# Altium PCB ct_mainpcb.PcbDoc (part 1 of 3) (continued)
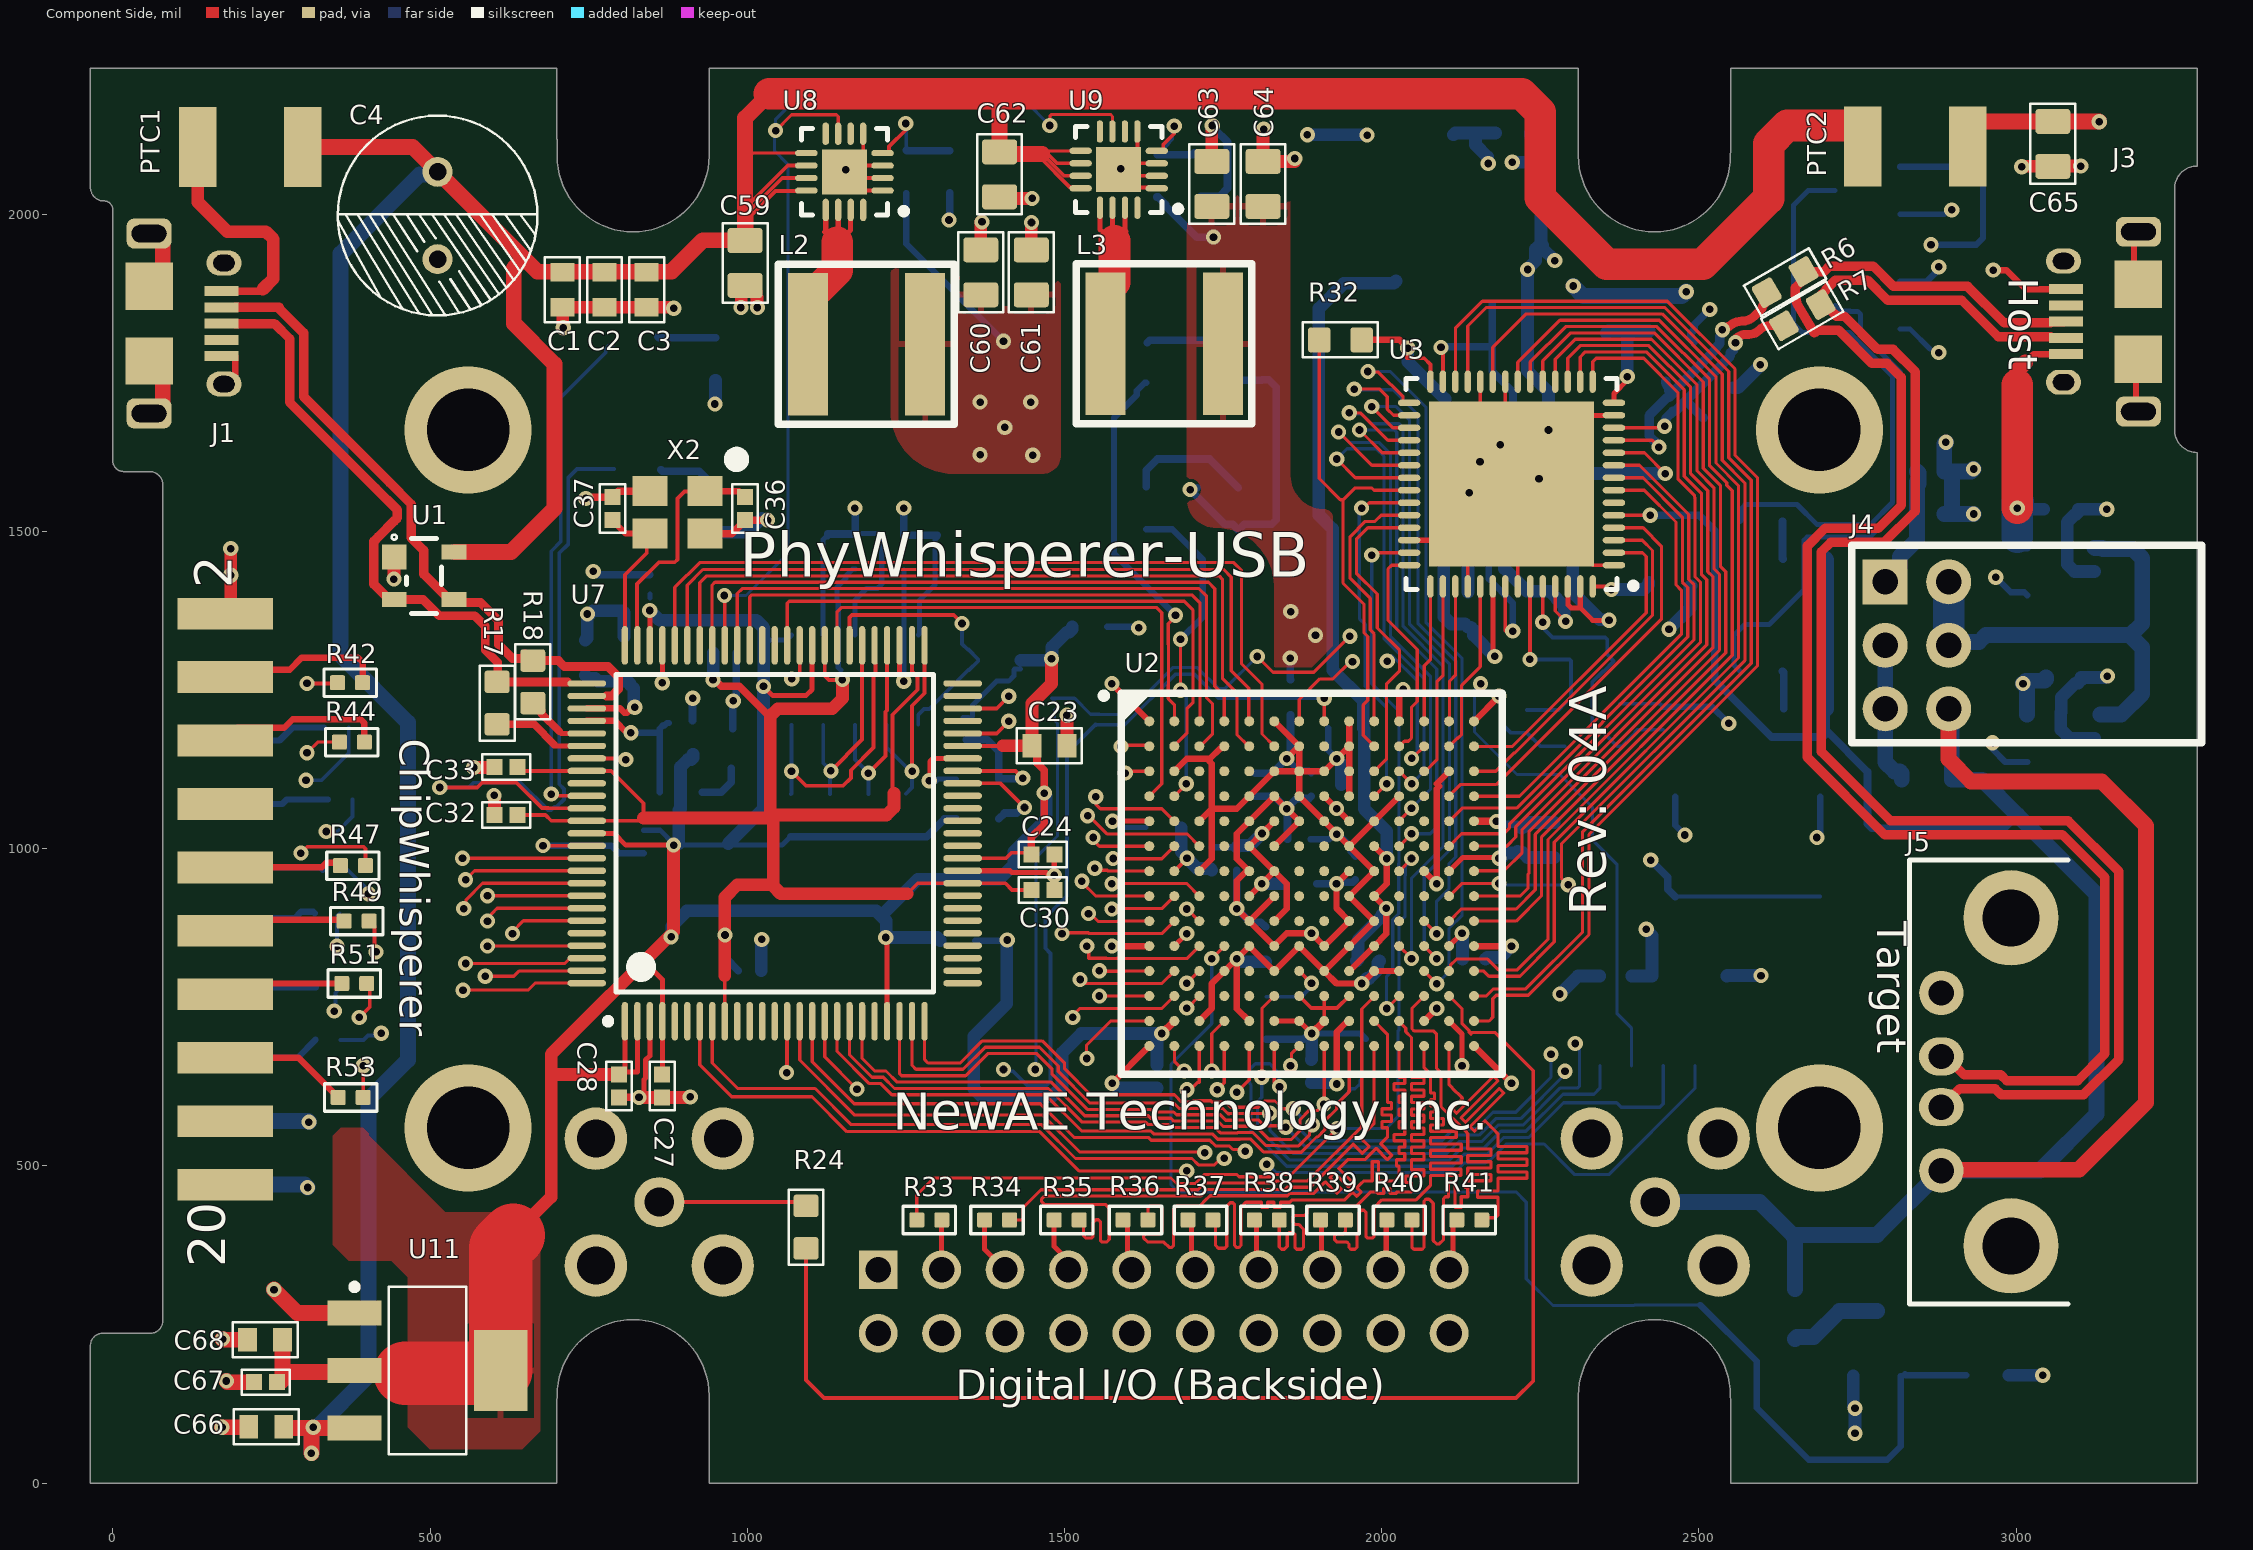
[diagram p0: Component Side view]
## Footprints (in the part's own frame and the unit in brackets; to place one, negate y for a bottom-side part, rotate by r counter-clockwise, add the part's x,y. Pads: shape width x height; smd on the part's side, far side on the other; paste and mask are expansions set on the pad) (continued)
  silkscreen extent -8.45,-7.63 7.63,7.65, body extent -7.5,-7.5 7.5,7.5, height 1.55
BOUR-MF-MSMF050-2_V [mm] "SMD, 2-Leads, Body 4.55x3.24mm"
  rect 1.5x3.2 smd: 1(-2.1,0) 2(2.1,0)
  body extent -2.28,-1.62 2.28,1.62, height 0.85
Cap_16v_680uF [mm]
  round 1.2 hole 0.7: 1(0,0) 2(3.5,0)
  silkscreen extent -2.25,-4 5.75,4, body extent -2.27,-4 5.73,4, height 16
CAPC0402_M [mm] "Chip Capacitor, 2-Leads, Body 0402, IPC Medium Density"
  rect 0.64x0.64 smd mask+0.06: 1(-0.46,0) 2(0.46,0)
  silkscreen extent -0.97,-0.51 0.97,0.51, body extent -0.55,-0.3 0.55,0.3, height 0.6
CAPC0603_M [mm]
  rect 0.75x0.95 smd: 1(-0.7,0) 2(0.7,0)
  silkscreen extent -1.3,-0.7 1.3,0.7, body extent -0.85,-0.45 0.85,0.45, height 0.9
CAPC0805_M [mm] "Chip Capacitor, Body 2.0x1.2mm, EIA 0805, IPC Medium Density"
  round 0.254 on Mech15: 0(0,0)
  rrect25% 1x1.4 smd: 1(-0.9,0) 2(0.9,0)
  Component Side pour cut-out: -0.675,0.7 0.675,0.7 0.675,-0.7 -0.675,-0.7
  silkscreen extent -1.6,-0.9 1.6,0.9, body extent -1.1,-0.72 1.1,0.73, height 1.34
CON-20HDR-EDGEMOUNT [mil]
  rect 50x150 smd: 1(-500,0) 3(-400,0) 5(-300,0) 7(-200,0) 9(-100,0) 11(0,0) 13(100,0) 15(200,0) 17(300,0) 19(400,0)
  rect 50x150 smd far side: 2(-500,0) 4(-400,0) 6(-300,0) 8(-200,0) 10(-100,0) 12(0,0) 14(100,0) 16(200,0) 18(300,0) 20(400,0)
  silkscreen extent -690,-30 590,70, body extent -690,-34 594,454, height 137
CONN_MCX_733660061 [mm] "Molex MCX"
  round 2 hole 1.17: 1(0,0)
  round 2.5 hole 1.52: 2(-2.54,2.54) 3(2.54,2.54) 4(2.54,-2.54) 5(-2.54,-2.54)
  silkscreen extent -3.25,-3.25 3.25,3.25, body extent -3,-3 3,3, height 5.53
ESWITCH_LL3301 [mm] "E_Switch LL3301 Swithc"
  rect 2.3x1.1 smd: 1(-3,2.25) 2(-3,-2.25) 3(3,-2.25) 4(3,2.25)
  silkscreen extent -4.7,-3.4 3.4,3.7, body extent -3.4,-3.15 3.4,3.15, height 4.29
EW-10-09-G-D-300 [mm] "High 20-Pin Connectors"
  rect 1.55x1.55 hole 1.02: 1(0,0)
  round 1.55 hole 1.02: 2(0,2.54) 3(2.54,0) 4(2.54,2.54) 5(5.08,0) 6(5.08,2.54) 7(7.62,0) 8(7.62,2.54) 9(10.16,0) 10(10.16,2.54) 11(12.7,0) 12(12.7,2.54) 13(15.24,0) 14(15.24,2.54) 15(17.78,0) 16(17.78,2.54) 17(20.32,0) 18(20.32,2.54) 19(22.86,0) 20(22.86,2.54)
  silkscreen extent -1.27,-1.27 24.13,3.81, body extent -1.27,-1.4 24.13,3.68, height 16
HDR_6PIN_2ROW_RA_UNSHROUDED [mm] "6-pin header, male, R/A, noshroud"
  rect 1.8x1.8 hole 1.02: 1(-1.27,2.54)
  round 1.8 hole 1.02: 2(1.27,2.54) 3(-1.27,0) 4(1.27,0) 5(-1.27,-2.54) 6(1.27,-2.54)
  silkscreen extent -2.6,-3.9 11.4,4, body extent -1.6,-3.76 11.16,3.86, height 5.56
IND_0603 [mm] "Chip Inductor, 2-Leads, Body 1.60x0.80mm, IPC Medium Density"
  rect 0.64x0.92 smd: 1(-0.73,0) 2(0.73,0)
  Component Side pour cut-out: -0.686,0.457 0.838,0.457 0.838,-0.457 -0.686,-0.457
  silkscreen extent -1.27,-0.64 1.27,0.64, body extent -0.82,-0.43 0.83,0.42, height 0.9
LED-0603-BLUE [mm]
  round 0.254 on Mech15: 0(0,0)
  rrect25% 0.8x0.8 smd: A(-0.85,0) K(0.85,0)
  Component Side pour cut-out: -0.5,0.5 0.5,0.5 0.5,-0.5 -0.5,-0.5
  silkscreen extent -1.55,-0.67 1.68,0.67, body extent -0.8,-0.4 0.8,0.4, height 0.75
LED-0603-GREEN [mm]
  round 0.254 on Mech15: 0(0,0)
  rrect25% 0.8x0.8 smd: A(-0.85,0) K(0.85,0)
  Component Side pour cut-out: -0.5,0.5 0.5,0.5 0.5,-0.5 -0.5,-0.5
  silkscreen extent -1.55,-0.67 1.68,0.67, body extent -0.8,-0.4 0.8,0.4, height 0.75
LED-0603-RED [mm]
  round 0.254 on Mech15: 0(0,0)
  rrect25% 0.8x0.8 smd: A(-0.85,0) K(0.85,0)
  Component Side pour cut-out: -0.5,0.5 0.5,0.5 0.5,-0.5 -0.5,-0.5
  silkscreen extent -1.55,-0.67 1.68,0.67, body extent -0.8,-0.4 0.8,0.4, height 0.75
LQFP100_L [mm] "Thin QFP, 100-Leads, Body 14x14mm, Pitch 0.5mm, IPC High Density"
  oval 1.55x0.25 smd: 1(-7.525,6) 2(-7.525,5.5) 3(-7.525,5) 4(-7.525,4.5) 5(-7.525,4) 6(-7.525,3.5) 7(-7.525,3) 8(-7.525,2.5) 9(-7.525,2) 10(-7.525,1.5) 11(-7.525,1) 12(-7.525,0.5) 13(-7.525,0) 14(-7.525,-0.5) 15(-7.525,-1) 16(-7.525,-1.5) 17(-7.525,-2) 18(-7.525,-2.5) 19(-7.525,-3) 20(-7.525,-3.5) 21(-7.525,-4) 22(-7.525,-4.5) 23(-7.525,-5) 24(-7.525,-5.5) 25(-7.525,-6) 51(7.525,-6) 52(7.525,-5.5) 53(7.525,-5) 54(7.525,-4.5) 55(7.525,-4) 56(7.525,-3.5) 57(7.525,-3) 58(7.525,-2.5) 59(7.525,-2) 60(7.525,-1.5) 61(7.525,-1) 62(7.525,-0.5) 63(7.525,0) 64(7.525,0.5) 65(7.525,1) 66(7.525,1.5) 67(7.525,2) 68(7.525,2.5) 69(7.525,3) 70(7.525,3.5) 71(7.525,4) 72(7.525,4.5) 73(7.525,5) 74(7.525,5.5) 75(7.525,6)
  oval 0.25x1.55 smd: 26(-6,-7.525) 27(-5.5,-7.525) 28(-5,-7.525) 29(-4.5,-7.525) 30(-4,-7.525) 31(-3.5,-7.525) 32(-3,-7.525) 33(-2.5,-7.525) 34(-2,-7.525) 35(-1.5,-7.525) 36(-1,-7.525) 37(-0.5,-7.525) 38(0,-7.525) 39(0.5,-7.525) 40(1,-7.525) 41(1.5,-7.525) 42(2,-7.525) 43(2.5,-7.525) 44(3,-7.525) 45(3.5,-7.525) 46(4,-7.525) 47(4.5,-7.525) 48(5,-7.525) 49(5.5,-7.525) 50(6,-7.525) 76(6,7.525) 77(5.5,7.525) 78(5,7.525) 79(4.5,7.525) 80(4,7.525) 81(3.5,7.525) 82(3,7.525) 83(2.5,7.525) 84(2,7.525) 85(1.5,7.525) 86(1,7.525) 87(0.5,7.525) 88(0,7.525) 89(-0.5,7.525) 90(-1,7.525) 91(-1.5,7.525) 92(-2,7.525) 93(-2.5,7.525) 94(-3,7.525) 95(-3.5,7.525) 96(-4,7.525) 97(-4.5,7.525) 98(-5,7.525) 99(-5.5,7.525) 100(-6,7.525)
  silkscreen extent -7.65,-6.35 6.35,6.8, body extent -7,-7 7,7, height 1.6
NR6028 [mm]
  rect 1.6x5.7 smd: 1(-2.35,0) 2(2.35,0)
  silkscreen extent -3.53,-3.2 3.51,3.2, body extent -3.15,-2.84 3.15,2.87, height 2.85
QFN16_50P300X300X100_HS-17M [mm] "QFN, 16-Leads, Body 3.00x3.00mm, Pitch 0.50mm, Thermal Pad 1.80x1.80mm, IPC Low Density"
  oval 0.9x0.25 smd: 1(-1.525,0.75) 2(-1.525,0.25) 3(-1.525,-0.25) 4(-1.525,-0.75) 9(1.525,-0.75) 10(1.525,-0.25) 11(1.525,0.25) 12(1.525,0.75)
  oval 0.25x0.9 smd: 5(-0.75,-1.525) 6(-0.25,-1.525) 7(0.25,-1.525) 8(0.75,-1.525) 13(0.75,1.525) 14(0.25,1.525) 15(-0.25,1.525) 16(-0.75,1.525)
  rect 1.8x1.8 smd: 17(0,0)
  silkscreen extent -2.5,-1.73 1.73,1.73, body extent -1.6,-1.6 1.6,1.6, height 1
QFN50P800X800X100_HS-57M [mm] "QFN, 56-Leads, Body 8.00x8.00mm, Pitch 0.50mm, Thermal Pad 6.60x6.60mm, IPC Low Density"
  oval 0.9x0.25 smd paste-0.025 mask+0.051: 1(-4.1,3.25) 2(-4.1,2.75) 3(-4.1,2.25) 4(-4.1,1.75) 5(-4.1,1.25) 6(-4.1,0.75) 7(-4.1,0.25) 8(-4.1,-0.25) 9(-4.1,-0.75) 10(-4.1,-1.25) 11(-4.1,-1.75) 12(-4.1,-2.25) 13(-4.1,-2.75) 14(-4.1,-3.25) 29(4.1,-3.25) 30(4.1,-2.75) 31(4.1,-2.25) 32(4.1,-1.75) 33(4.1,-1.25) 34(4.1,-0.75) 35(4.1,-0.25) 36(4.1,0.25) 37(4.1,0.75) 38(4.1,1.25) 39(4.1,1.75) 40(4.1,2.25) 41(4.1,2.75) 42(4.1,3.25)
  oval 0.25x0.9 smd paste-0.025 mask+0.051: 15(-3.25,-4.1) 16(-2.75,-4.1) 17(-2.25,-4.1) 18(-1.75,-4.1) 19(-1.25,-4.1) 20(-0.75,-4.1) 21(-0.25,-4.1) 22(0.25,-4.1) 23(0.75,-4.1) 24(1.25,-4.1) 25(1.75,-4.1) 26(2.25,-4.1) 27(2.75,-4.1) 28(3.25,-4.1) 43(3.25,4.1) 44(2.75,4.1) 45(2.25,4.1) 46(1.75,4.1) 47(1.25,4.1) 48(0.75,4.1) 49(0.25,4.1) 50(-0.25,4.1) 51(-0.75,4.1) 52(-1.25,4.1) 53(-1.75,4.1) 54(-2.25,4.1) 55(-2.75,4.1) 56(-3.25,4.1)
  rect 6.6x6.6 smd paste-100 mask+0.051: 57(0,0)
  silkscreen extent -5,-4.23 4.23,4.23, body extent -4.1,-4.1 4.1,4.1, height 1
RESC1005X40N [mm] "Chip Resistor, Body 1.0x0.5mm, EIA 0402, IPC Medium Density"
  round 0.2 on Mech15: 0(0,0)
  rrect20% 0.6x0.6 smd: 1(-0.5,0) 2(0.5,0)
  Component Side pour cut-out: -0.325,0.375 -0.2,0.5 0.2,0.5 0.325,0.375 0.325,-0.375 0.2,-0.5 -0.2,-0.5 -0.325,-0.375
  silkscreen extent -1.05,-0.55 1.05,0.55, body extent -0.52,-0.27 0.53,0.28, height 0.4
RESC1608X55N [mm] "Chip Resistor, Body 1.6x0.8mm, EIA 0603, IPC Medium Density"
  round 0.254 on Mech15: 0(0,0)
  rrect25% 0.9x1 smd: 1(-0.85,0) 2(0.85,0)
  Component Side pour cut-out: -0.6,0.5 0.6,0.5 0.6,-0.5 -0.6,-0.5
  silkscreen extent -1.5,-0.7 1.5,0.7, body extent -0.87,-0.47 0.88,0.48, height 0.54
RESC2012X70N [mm] "Chip Resistor, Body 2.0x1.2mm, EIA 0805, IPC Medium Density"
  round 0.254 on Mech15: 0(0,0)
  rrect25% 0.8x1.3 smd: 1(-1,0) 2(1,0)
  Component Side pour cut-out: -0.725,0.65 -0.525,0.85 0.525,0.85 0.725,0.65 0.725,-0.65 0.525,-0.85 -0.525,-0.85 -0.725,-0.65
  silkscreen extent -1.6,-0.85 1.6,0.85, body extent -1.1,-0.67 1.1,0.68, height 0.69
SJ_2S_NO [mil] "Solder Jumper, open (no paste)"
  rect 25x50 smd paste-393.7: 1(-16.22,0) 2(16.22,0)
  silkscreen extent -43,-39 43,39
SOT23-5P95_285X145L45X40 [mm] "Small Outline Transistor (SOT23), 0.95 mm pitch; 5 pin, 3.00 mm L X 1.60 mm W X 1.45 mm H body"
  rrect50% 0.6x1.05 smd: 1(-0.95,-1.35) 2(0,-1.35) 3(0.95,-1.35) 4(0.95,1.35) 5(-0.95,1.35)
  silkscreen extent -1.55,-0.85 1.55,0.85, body extent -1.5,-1.43 1.5,1.42, height 1.45
SOT95P245X110-3M [mm] "SOT23, 3-Leads, Body 2.90x2.45mm, Pitch 0.95mm, IPC Low Density"
  rect 1.2x0.65 smd: 1(-1.3,0.95) 2(-1.3,-0.95) 3(1.3,0)
  silkscreen extent -1.43,-1.5 0.7,1.95, body extent -1.3,-1.5 1.3,1.5, height 1.1
SOT143B [mm] "SOT143, 4-Leads, Body 2.92x2.37mm, Pitch 1.90mm, IPC Medium Density"
  rect 1x1 smd: 1(-1.2,0.75)
  rect 1x0.6 smd: 2(-1.2,-0.95) 3(1.2,-0.95) 4(1.2,0.95)
  silkscreen extent -1.3,-1.5 0.7,1.65, body extent -1.18,-1.52 1.18,1.52, height 1.2
SOT-223 [mm] "SOT223, 4-Leads, Body 6.50x7.00mm (avg), Pitch 2.30mm, IPC Medium Density"
  rect 2.15x1 smd: 1(-2.925,2.3) 2(-2.925,0) 3(-2.925,-2.3)
  rect 2.15x3.25 smd: 4(2.925,0)
  silkscreen extent -3.05,-3.35 1.55,3.47, body extent -3.5,-3.35 3.5,3.35, height 1.8
USB-A-S-F-W-TH [mil]
  round 70 hole 40: 1(-140,0) 4(140,0)
  oval 60x70 hole 40: 2(-40,0) 3(40,0)
  round 150 hole 90: S1(-258.5,-110) S2(258.5,-110)
  silkscreen extent -350,-200 350,50, body extent -310,-518 310,38, height 294
ZX62D-B-5P8(30) [mm]
  rect 0.4x1.35 smd mask+0.051: 1(-1.3,2.9) 2(-0.65,2.9) 3(0,2.9) 4(0.65,2.9) 5(1.3,2.9)
  rrect50% 1.2x1.8 hole 0.7 slot 1.4 at 90 deg: S1(-3.6,0) S1(3.6,0)
  rect 1.9x1.9 smd: S1(-1.5,0) S1(1.5,0)
  rrect100% 1x1.4 hole 0.65 slot 0.85 at 90 deg: S2(-2.425,3) S2(2.425,3)
  body extent -4.05,-2.79 4.05,3.01, height 2.75

## Part data
C1 C2 C3 C13 C14 C15 C17 C19 C20 C22 C23 C34 C35 C46 C47 C48 C51 C57 C58 C66 C68 C69 C71: library part CCHIP-2u2-0603, "2u2, 0603", Case-EIA=0603, Case-Metric=1608, Manufacture 1=Samsung, Manufacture Part Number 1=CL10B225KP8NNNC, Rated Voltage=10VDC, Supplier Part Number 1=1276-1134-2-ND, Component Group=Capacitor, Component Type=Standard, Mounting Technology=SMT, Part Number=CCHIP-2u2-0603, Pin Count=2, Supplier 1=Digi-Key
C4: library part Cap_16v_680uF, "Aluminum electrolytic 680uF, 8x16mm, radial", Component Group=Capacitor, Component Type=Standard, Mounting Technology=Through-hole, Part Number=Cap_16v_680uF, Pin Count=2, PP Material Stack=0, PP Rotation=0
C5 C6 C36 C37: library part CCHIP-18p-0402, "18p, 0402", Case-EIA=0402, Manufacture Part Number 1=GRM1555C1H180JA01D, Component Group=Capacitor, Component Type=Standard, Mounting Technology=SMT, Part Number=CCHIP-18p-0402, Pin Count=2
C7 C8 C9 C10 C11 C12 C16 C18 C39 C40: library part CCHIP-100n-0603, "100n, 0603", Case-EIA=0603, Case-Metric=1608, Manufacture 1=Kemet, Manufacture Part Number 1=C0603C104K5RACTU, Rated Voltage=50VDC, Supplier Part Number 1=399-5089-2-ND, Component Group=Capacitor, Component Type=Standard, Mounting Technology=SMT, Part Number=CCHIP-100n-0603, Pin Count=2, Supplier 1=Digi-Key
C21 C24 C25 C26 C27 C28 C29 C30 C31 C32 C33 C41 C42 C43 C44 C45 C49 C50 C52 C53 C54 C55 C56 C67 C70: library part CCHIP-100n-0402, "100n, 0402", Case-EIA=0402, Component Group=Capacitor, Component Type=Standard, Mounting Technology=SMT, Part Number=CCHIP-100n-0402, Pin Count=2
C38: library part CCHIP-10p-0603, "10p, 0603", Case-EIA=0603, Case-Metric=1608, Supplier Part Number 1=399-1049-1-ND, Component Group=Capacitor, Component Type=Standard, Mounting Technology=SMT, Part Number=CCHIP-10p-0603, Pin Count=2, Supplier 1=Digi-Key
C59 C60 C61 C62 C63 C64 C65: library part CCHIP-22u-0805-16V, "22u, 16V, 0805, Ceramic", Case-EIA=0805, Case-Metric=1608, Manufacture 1="Samsung Electro-Mechanics", Manufacture Part Number 1=CL21A226MOCLRNC, Rated Voltage=16VDC, Supplier Part Number 1=1276-6780-1-ND, Tolerance=20%, Component Group=Capacitor, Component Type=Standard, Mounting Technology=SMT, Part Number=CCHIP-22u-0805-16V, Pin Count=2, RoHS=Yes, Supplier 1=Digi-Key
D1 D2 D3: library part LEDCHIP_0603_GREEN, "Chip LED, Green", Manufacture 1=Kingbright, Manufacture Part Number 1=APT1608CGCK, Supplier Part Number 1=754-1116-1-ND, Component Group=Optical, Component Type=Standard, Mounting Technology=SMT, Part Number=LEDCHIP_0603_GREEN, Pin Count=2, PP Material Stack=16, PP Rotation=-90, Supplier 1=Digi-Key
D4: library part LEDCHIP_0603_RED, "Chip LED, Red", Manufacture 1=Kingbright, Manufacture Part Number 1=APT1608SRCPRV, Supplier Part Number 1=754-1122-1-ND, Component Group=Optical, Component Type=Standard, Mounting Technology=SMT, Part Number=LEDCHIP_0603_RED, Pin Count=2, PP Material Stack=15, PP Rotation=-90, Supplier 1=Digi-Key
D5 D6: library part LEDCHIP_0603_BLUE, "Chip LED, Blue", Manufacture 1=Kingbright, Component Group=Optical, Component Type=Standard, Mounting Technology=SMT, Part Number=LEDCHIP_0603_BLUE, Pin Count=2
J1 J3: library part ZX62D-B-5P8(30), "CONN RCPT USB MICRO B SMD", Manufacture 1="Hirose Electric Co Ltd", Supplier Part Number 1=H125272CT-ND, Component Group=Connector, Component Type=Standard, Manufacture Part Number 1=ZX62D-B-5P8(30), Mounting Technology=Through-hole, Part Number=ZX62D-B-5P8(30), Pin Count=5, PP Material Stack=0, PP Rotation=0, RoHS=Yes, Supplier 1=Digi-Key
J2: library part CON20HDR-EDGE, Supplier Part Number 1=S9172-ND, Component Group=Connector, Component Type=Standard, Part Number=CON20HDR-EDGE, Pin Count=20, PP Material Stack=0, PP Rotation=0, Supplier 1=Digi-Key
J4: library part HDR_6PIN_2ROW_RA_UNSHROUDED, "2x3 Header, R/A, Unshrouded", Manufacture 1=Samtec, Component Group=Connector, Component Type=Standard, Manufacture Part Number 1=TSW-103-08-F-D-RA, Part Number=HDR_6PIN_2ROW_RA_UNSHROUDED, Pin Count=6, PP Material Stack=0, PP Rotation=0
J5: "Female USB-A", Manufacture 1=Samtec, Component Group=Connector, Component Type=Standard, Manufacture Part Number 1=USB-A-S-F-W-TH, Part Number=USB-A-S-F-W-TH, Pin Count=6, PP Material Stack=0, PP Rotation=0
J6 J10: library part Cortex_Debug_Header_10Pin, "10 Pin Cortex Program & Debug 0.5mm pitch", Manufacture Part Number 1=20021121-00010C4LF, Supplier Part Number 1=609-3695-1-ND, Component Group=Connector, Component Type=Standard, Mounting Technology=SMT, Part Number=Cortex_Debug_Header_10Pin, Pin Count=10, PP Material Stack=0, PP Rotation=0, RoHS=Yes, Supplier 1=Digi-Key
J7: "20-Pin Header, High-Top", Manufacture Part Number 1=SBH11-PBPC-D10-ST-BK, Supplier Part Number 1=S9172-ND, Component Group=Connector, Component Type=Standard, Part Number=SBH11-PBPC-D10-ST-BK, Pin Count=20, PP Material Stack=0, PP Rotation=0, Supplier 1=Digi-key
J8 J9: library part 733660061, "MCX Straight", Manufacture Part Number 1=29K101-400L5, Supplier Part Number 1=1868-1160-ND, Component Group=Connector, Component Type=Standard, Mounting Technology=Through-hole, Part Number=733660061, Pin Count=5, PP Material Stack=0, PP Rotation=0, RoHS=Yes, Supplier 1=Digi-Key
L1: library part LCHIP-10U-0603, "FIXED IND 10UH 50MA 900 MOHM SMD", Case-EIA=0603, Case-Metric=1608, Manufacture 1="Murata Electronics North America", Manufacture Part Number 1=LQM18FN100M00D, Supplier Part Number 1=490-4025-1-ND, Tolerance=±20%, Component Group=Inductor, Component Type=Standard, Mounting Technology=SMT, Part Number=LCHIP-10U-0603, Pin Count=2, PP Material Stack=0, PP Rotation=0, Supplier 1=Digi-Key
L2 L3: library part NR6028T4R7M, "fixed ind, ferrite, shielded", Case-Metric=6060, Manufacture 1="Taiyo Yuden", Supplier Part Number 1=587-2100-1-ND, Component Group=Inductor, Component Type=Standard, Manufacture Part Number 1=NR6028T4R7M, Mounting Technology=SMT, Part Number=NR6028T4R7M, Pin Count=2, Supplier 1=Digi-Key
PTC1 PTC2: library part CMP-0280-00002-2, "MF-MSMF Series - PTC Resettable Fuse, 15 V Max, 0.15 Ohm Min, -40 to 85 degC, RoHS, Reel", Current Rating (Max)="100 A", Hold Current="0.5 A", Manufacturer=Bourns, Operating Temperature Range="-40 to 85 degC", Resistance (Min)="0.15 Ohm", Supplier Part Number 1=MF-MSMF050-2CT-ND, Trip Current="1 A", Voltage DC (Max)="15 V", ComponentLink1Description="Manufacturer URL", ComponentLink1URL=http://www.bourns.com/, ComponentLink2Description=Datasheet, ComponentLink2URL=http://www.bourns.com/data/global/pdfs/mfmsmf.pdf, ComponentLink3Description="Package Specification", ComponentLink3URL=http://www.bourns.com/data/global/pdfs/mfmsmf.pdf, DatasheetVersion="Rev. AD", Mounting Technology="Surface Mount", PackageDescription="2-Pin SMD, Body 4.55 x 3.24 mm", PackageReference=MF-MSMF050, Packing=Reel, PartNumber=MF-MSMF050, RoHS=TRUE, Supplier 1=Digi-Key
Q1 Q2 Q3: "MOSFET N-CH 30V 2.2A SOT23-3", Manufacture 1="Diodes Inc.", Rated Power=3A, Rated Voltage=30V, Supplier Part Number 1=DMN3200U-7DICT-ND, Component Group=MOSFET, Component Type=Standard, Manufacture Part Number 1=DMN3200U-7, Mounting Technology=SMT, Part Number=DMN3200U-7, Pin Count=3, PP Material Stack=0, PP Rotation=0, RoHS=Yes, Supplier 1=Digi-Key
R1: library part RCHIP-1M6-0603, "1M6 res, 0603, 1%, 1/10W", Case-EIA=0603, Case-Metric=1608, Manufacture 1=Yageo, Manufacture Part Number 1=RC0603FR-071M6L, Rated Power=0.1W, Rated Voltage=75VDC, Supplier Part Number 1=YAG3327CT-ND, Temperature Range="-55C to 155C", Tolerance=1%, Component Group=Resistor, Component Type=Standard, Mounting Technology=SMT, Part Number=RCHIP-1M6-0603, Pin Count=2, RoHS=Yes, Supplier 1=Digi-Key
R2 R3 R20 R21 R22 R23: library part RCHIP-330R-0603, "330R res, 0603, 1%, 1/10W", Case-EIA=0603, Case-Metric=1608, Manufacture 1=Yageo, Manufacture Part Number 1=RC0603FR-07330RL, Rated Power=0.1W, Rated Voltage=75VDC, Supplier Part Number 1=311-330HRCT-ND, Temperature Range="-55C to 155C", Tolerance=1%, Component Group=Resistor, Component Type=Standard, Mounting Technology=SMT, Part Number=RCHIP-330R-0603, Pin Count=2, Supplier 1=Digi-Key
R4 R8: library part RCHIP-5R1-0805, "5R1  res, 0805, 1%", Case-EIA=0805, Supplier Part Number 1=YAG3373CT-ND, Component Group=Resistor, Component Type=Standard, Part Number=RCHIP-5R1-0805, Pin Count=2, Supplier 1=Digi-Key
R5: library part RCHIP-12K-0603, "12k res, 0603, 1%, 1/10W", Case-EIA=0603, Case-Metric=1608, Manufacture 1=Yageo, Manufacture Part Number 1=RC0603FR-0712KL, Rated Power=0.1W, Rated Voltage=75VDC, Supplier Part Number 1=311-12.0KHRCT-ND, Temperature Range="-55C to 155C", Tolerance=1%, Component Group=Resistor, Component Type=Standard, Mounting Technology=SMT, Part Number=RCHIP-12K-0603, Pin Count=2, Supplier 1=Digi-Key
R6 R7 R9: library part RCHIP-1R0-0603, "1R0 res, 0603, 1%, 1/10W", Case-EIA=0603, Case-Metric=1608, Manufacture 1=Yageo, Manufacture Part Number 1=RC0603FR-071RL, Rated Power=0.1W, Rated Voltage=75VDC, Supplier Part Number 1=311-1.00HRCT-ND, Temperature Range="-55C to 155C", Tolerance=1%, Component Group=Resistor, Component Type=Standard, Mounting Technology=SMT, Part Number=RCHIP-1R0-0603, Pin Count=2, Supplier 1=Digi-Key
R10 R11 R12 R13: library part RCHIP-100K-0603, "100k res, 0603, 1%, 1/10W", Case-EIA=0603, Case-Metric=1608, Manufacture 1=Yageo, Manufacture Part Number 1=RC0603FR-07100KL, Rated Power=0.1W, Rated Voltage=75VDC, Supplier Part Number 1=311-100KHRCT-ND, Temperature Range="-55C to 155C", Tolerance=1%, Component Group=Resistor, Component Type=Standard, Mounting Technology=SMT, Part Number=RCHIP-100K-0603, Pin Count=2, Supplier 1=Digi-Key
R14 R15 R16 R29 R30 R31: library part RCHIP-1K-0603, "1k res, 0603, 1%, 1/10W", Case-EIA=0603, Case-Metric=1608, Manufacture 1=Yageo, Manufacture Part Number 1=RC0603FR-071KL, Rated Power=0.1W, Rated Voltage=75VDC, Supplier Part Number 1=311-1.00KHRCT-ND, Temperature Range="-55C to 155C", Tolerance=1%, Component Group=Resistor, Component Type=Standard, Mounting Technology=SMT, Part Number=RCHIP-1K-0603, Pin Count=2, Supplier 1=Digi-Key
R17 R18: library part RCHIP-39R-0603, "39R res, 0603, 1%, 1/10W", Case-EIA=0603, Case-Metric=1608, Manufacture 1=Yageo, Manufacture Part Number 1=RC0603FR-0739RL, Rated Power=0.1W, Rated Voltage=75VDC, Supplier Part Number 1=311-39.0HRCT-ND, Temperature Range="-55C to 155C", Tolerance=1%, Component Group=Resistor, Component Type=Standard, Mounting Technology=SMT, Part Number=RCHIP-39R-0603, Pin Count=2, Supplier 1=Digi-Key
R19: library part RCHIP-6K8-0603, "6k8 res, 0603, 1%, 1/10W", Case-EIA=0603, Case-Metric=1608, Manufacture 1=Yageo, Manufacture Part Number 1=RC0603FR-076K8L, Rated Power=0.1W, Rated Voltage=75VDC, Supplier Part Number 1=311-6.80KHRCT-ND, Temperature Range="-55C to 155C", Tolerance=1%, Component Group=Resistor, Component Type=Standard, Mounting Technology=SMT, Part Number=RCHIP-6K8-0603, Pin Count=2, Supplier 1=Digi-Key
R24: library part RCHIP-10R-0603, "10R res, 0603, 1%, 1/10W", Case-EIA=0603, Case-Metric=1608, Manufacture 1=Yageo, Manufacture Part Number 1=RC0603FR-0710RL, Rated Power=0.1W, Rated Voltage=75VDC, Supplier Part Number 1=311-10.0HRCT-ND, Temperature Range="-55C to 155C", Tolerance=1%, Component Group=Resistor, Component Type=Standard, Mounting Technology=SMT, Part Number=RCHIP-10R-0603, Pin Count=2, Supplier 1=Digi-Key
R25 R27 R32: library part RCHIP-10K-0603, "10k res, 0603, 1%, 1/10W", Case-EIA=0603, Case-Metric=1608, Manufacture 1=Yageo, Manufacture Part Number 1=RC0603FR-0710KL, Rated Power=0.1W, Rated Voltage=75VDC, Supplier Part Number 1=311-10.0KHRCT-ND, Temperature Range="-55C to 155C", Tolerance=1%, Component Group=Resistor, Component Type=Standard, Mounting Technology=SMT, Part Number=RCHIP-10K-0603, Pin Count=2, Supplier 1=Digi-Key
R26: library part RCHIP-2K2-0603, "2k2 res, 0603, 1%, 1/10W", Case-EIA=0603, Case-Metric=1608, Manufacture 1=Yageo, Manufacture Part Number 1=RC0603FR-072K2L, Rated Power=0.1W, Rated Voltage=75VDC, Supplier Part Number 1=311-2.20KHRCT-ND, Temperature Range="-55C to 155C", Tolerance=1%, Component Group=Resistor, Component Type=Standard, Mounting Technology=SMT, Part Number=RCHIP-2K2-0603, Pin Count=2, Supplier 1=Digi-Key
R28: library part RCHIP-15K-0603, "15k res, 0603, 1%, 1/10W", Case-EIA=0603, Case-Metric=1608, Manufacture 1=Yageo, Manufacture Part Number 1=RC0603FR-0715KL, Rated Power=0.1W, Rated Voltage=75VDC, Supplier Part Number 1=311-15.0KHRCT-ND, Temperature Range="-55C to 155C", Tolerance=1%, Component Group=Resistor, Component Type=Standard, Mounting Technology=SMT, Part Number=RCHIP-15K-0603, Pin Count=2, Supplier 1=Digi-Key
R33 R34 R35 R36 R37 R38 R39 R40 R41 R42 R43 R44 R45 R46 R47 R48 R49 R50 R51 R52 R53: library part RCHIP-22R-0402, "22R res, 0402, 1%, 1/16W", Case-EIA=0402, Case-Metric=1005, Manufacture 1=Yageo, Manufacture Part Number 1=RC0402FR-0722RL, Rated Power=0.063W, Rated Voltage=75VDC, Supplier Part Number 1=311-22.0LRCT-ND, Temperature Range="-55C to 155C", Tolerance=1%, Component Group=Resistor, Component Type=Standard, Mounting Technology=SMT, Part Number=RCHIP-22R-0402, Pin Count=2, Supplier 1=Digi-Key
SJ1: library part SJ_2S_NO, "Solder Jumper, NO", Component Group="PCB Feature", Component Type="Standard (No BOM)", Mounting Technology=COPPER, Part Number=SJ_2S_NO, Pin Count=2
SW1: library part TACTSW-KSC741J, "SWITCH TACTILE SPST-NO 0.01A 32V", Manufacture 1=C&K, Supplier Part Number 1=CKN10309CT-ND, Component Group=Switch, Component Type=Standard, Manufacture Part Number 1="KSC741J LFS", Mounting Technology=SMT, Part Number=TACTSW-KSC741J, Pin Count=4, PP Material Stack=0, PP Rotation=0, RoHS=Yes, Supplier 1=Digi-Key
U1 U6: "USB 2.0 high-speed ESD", Supplier Part Number 1=568-7445-1-ND, Component Group=Diode, Component Type=Standard, Part Number=PRTR5V0U2AX, Pin Count=4, Supplier 1=Digi-Key
U2: "Xilinx Spartan 7 FPGA, 196FTGB", Manufacture 1=Xilinx, Supplier Part Number 1=122-2226-ND, Component Group="Digital IC", Component Type=Standard, Manufacture Part Number 1=XC7S15-1FTGB196C, Mounting Technology=SMT, Part Number=XC7S15-1FTGB196C, Pin Count=196, PP Material Stack=0, PP Rotation=0, Supplier 1=Digi-Key
U3: library part USB3500, "USB Phy, UTMI 3+", Manufacture 1="Texas Instruments", Supplier Part Number 1=638-1035-ND, Company_PN="<Enter Company P/N>", Component Group="Digital IC", Component Type=Standard, Created By=D.GODDARD, Manufacture Part Number 1=USB3500-ABZJ, Mounting Technology=SMT, Part Number=USB3500, Pin Count=57, Pitch=0.5mm, PP Material Stack=0, PP Rotation=0, RoHS=Yes, Supplier 1=Digi-Key
U4 U5: "USB Power Switch, Digital IC", Manufacture 1="Diodes Inc", Supplier Part Number 1=AP22802AW5-7DICT-ND, Company_PN="<Enter Company P/N>", Component Group="Analog IC", Component Type=Standard, Created By=D.GODDARD, Manufacture Part Number 1=AP22802, Part Number=AP22802, Pin Count=5, PP Material Stack=0, PP Rotation=0, Supplier 1=Digi-Key
U7: library part CMP-0076-00087-2, "AT91 ARM Cortex-M3 32-bit Microcontroller, 64KB Flash, 20KB SRAM, 57 User I/Os, 3USARTs, 100-Pin LQFP, Industrial Grade (-40°C to 85°C), Pb-Free", Code_JEDEC=MS-026-BED, ComponentLink1Description="Manufacturer URL", ComponentLink1URL=http://www.atmel.com/, ComponentLink2Description="SAM3U Series Datasheet", ComponentLink2URL=http://www.atmel.com/dyn/resources/prod_documents/doc6430.pdf, ComponentLink3Description="SAM3U Series Summary", ComponentLink3URL=http://www.atmel.com/dyn/resources/prod_documents/6430s.pdf, DatasheetVersion="revC, Apr-2010", PackageDescription="100-Pin Thin Quad Flat Pack 0.5 mm Pitch", PackageReference=LQFP100, PackageVersion=Apr-2006, PartId=1, RevisionNote="DatasheetVersion updated. URLs added."
U8 U9: "Switching supply controller, 2A", Manufacture 1=Richtek, Component Group="Analog IC", Component Type=Standard, Manufacture Part Number 1=RT8058, Part Number=RT8058, Pin Count=17, PP Material Stack=0, PP Rotation=0
U10: "IC REG LIN POS 1.8V 800MA SOT223", Manufacture 1=STMicroelectronics, Manufacture Part Number 1=LD1117S18TR, Rated Voltage=15V, Supplier Part Number 1=497-7308-1-ND, Component Group="Analog IC", Component Type=Standard, Mounting Technology=SMT, Part Number=LD1117S18, Pin Count=3, PP Material Stack=0, PP Rotation=0, RoHS=Yes, Supplier 1=Digi-Key
U11: "IC REG LIN POS 3.3V 800MA SOT223", Manufacture 1=STMicroelectronics, Manufacture Part Number 1=LD1117S33TR, Rated Voltage=15V, Supplier Part Number 1=497-1242-1-ND, Component Group="Analog IC", Component Type=Standard, Mounting Technology=SMT, Part Number=LD1117S33, Pin Count=3, PP Material Stack=0, PP Rotation=0, RoHS=Yes, Supplier 1=Digi-Key
X1: "CRYSTAL 24.0000MHZ 10PF SMD", Manufacture 1="Abracon LLC", Supplier Part Number 1=535-10913-1-ND, Component Group=Crystal, Component Type=Standard, Manufacture Part Number 1=ABM8G-24.000MHZ-4Y-T3, Part Number=ABM8G-24.000MHZ-4Y-T3, Pin Count=4, Supplier 1=Digi-Key
X2: "CRYSTAL 12.0000MHZ 10PF SMD", Manufacture 1="Abracon LLC", Supplier Part Number 1=535-10901-1-ND, Component Group=Crystal, Component Type=Standard, Manufacture Part Number 1=ABM8G-12.000MHZ-4Y-T3, Part Number=ABM8G-12.000MHZ-4Y-T3, Pin Count=4, Supplier 1=Digi-Key

## Via types
v1: diameter 24, hole 12, Component Side to Solder Side, tented both sides, 279 vias
v2: diameter 200, hole 130, Component Side to Solder Side, 4 vias
v3: diameter 24, hole 12, Component Side to Solder Side, 3 vias

## Nets (pads, with @x,y where several pads share a name; then routed paths per layer and width w, separated by ;. In a path a pad name is that pad's centre, name@x,y a point inside that pad or via, vN(x,y) a via of type N, cw(c..) or ccw(c..) an arc to the next point about the centre after c; other vN are vias at no path point)
F_USB0: U2.B14 U3.2 | length 500.8
  Component Side w5: U2.B14@2145.67,1161.42 2146.09,1161 2206,1161 2417,1372 2417,1460.62 2411.09,1466.54 U3.2@2366.14,1466.54
F_USB1: U2.F14 U3.15 | length 1098.3
  Component Side w5: U2.F14@2145.67,1003.94 2146.11,1004.38 2192.97,1004.38 2193.41,1003.94 2196.94,1003.94 2211.43,1018.43 2211.43,1034.42 2502.5,1325.5 2502.5,1419.93 2494,1428.43 2494,1553.14 2493,1554.14 2493,1557 2467,1583 2467,1719 2413,1773 2338,1773 2332.68,1767.68 U3.15@2332.68,1736.22
F_USB2: U2.C14 U3.3 | length 552.9
  Component Side w5: U2.C14@2145.67,1122.05 2180.05,1122.05 2209,1151 2210.14,1151 2427,1367.86 2427,1470 2410.78,1486.22 U3.3@2366.14,1486.22
F_USB3: U2.D13 U3.4 | length 652.8
  Component Side w5: U2.D13@2106.3,1082.68 2106.3,1083.3 2124,1101 2180.42,1101 2441,1361.58 2441,1477 2412.09,1505.91 U3.4@2366.14,1505.91
F_USB4: U2.D14 U3.7 | length 731.7
  Component Side w5: U2.D14@2145.67,1082.68 2217.25,1082.68 2472.5,1337.92 2472.5,1407.5 2464,1416 2464,1515 2414.04,1564.96 U3.7@2366.14,1564.96
F_USB5: U2.E13 U3.8 | length 822.4
  Component Side w5: U2.E13@2106.3,1043.31 2126.99,1064 2212.72,1064 2482.5,1333.78 2482.5,1411.65 2474,1420.15 2474,1522.57 2411.92,1584.65 U3.8@2366.14,1584.65
F_USB6: U2.F13 U3.9 | length 875.3
  Component Side w5: U2.F13@2106.3,1003.94 2125.86,1023.5 2192.5,1023.5 2201.43,1032.43 2201.43,1038.57 2492.5,1329.64 2492.5,1415.79 2484,1424.29 2484,1526.71 2406.38,1604.33 U3.9@2366.14,1604.33
F_USB7: U2.G14 U3.16 | length 1183.3
  Component Side w5: U2.G14@2145.67,964.57 2146.3,965.2 2192.78,965.2 2221.43,993.84 2221.43,1030.28 2512.5,1321.35 2512.5,1424.07 2504,1432.57 2504,1560.14 2477,1587.14 2477,1723.14 2417.14,1783 2321,1783 2312.99,1774.99 U3.16@2312.99,1736.22
F_USB8: U2.H14 U3.17 | length 1281.4
  Component Side w5: U2.H14@2145.67,925.2 2218.05,925.2 2230.93,938.07 2230.93,959.93 2232,961 2232,1026.71 2522.5,1317.21 2522.5,1428.21 2514,1436.71 2514,1564.28 2487,1591.28 2487,1727.28 2421.28,1793 2313,1793 2293.31,1773.31 U3.17@2293.31,1736.22
F_USB9: U2.J14 U3.19 | length 1403.8
  Component Side w5: U2.J14@2145.67,885.83 2212,885.83 2252,925.83 2252,963 2252.14,963.14 2252.14,1018.57 2542.5,1308.93 2542.5,1436.5 2534,1445 2534,1572.57 2507,1599.57 2507,1735.57 2429.57,1813 2298,1813 2253.94,1768.94 U3.19@2253.94,1736.22
F_USB10: U2.J13 U3.18 | length 1389
  Component Side w5: U2.J13@2106.3,885.83 2125.47,905 2212,905 2242,935 2242,1022.57 2532.5,1313.07 2532.5,1432.36 2524,1440.86 2524,1568.43 2497,1595.43 2497,1731.43 2425.43,1803 2305,1803 2273.62,1771.62 U3.18@2273.62,1736.22
F_USB11: U2.L13 U3.20 | length 1583.8
  Component Side w5: U2.L13@2106.3,807.09 2108.36,809.14 2108.36,816.36 2118,826 2167,826 2184,809 2214,809 2262.14,857.14 2262.14,1014.43 2552.5,1304.79 2552.5,1564.43 2544,1572.93 2544,1576.71 2517,1603.71 2517,1739.71 2433.71,1823 2290,1823 2234.25,1767.25 U3.20@2234.25,1736.22
F_USB12: U2.L14 U3.21 | length 1585.2
  Component Side w5: U2.L14@2145.67,807.09 2145.76,807 2161,807 2169,799 2218.14,799 2272.14,853 2272.14,1010.29 2562.5,1300.64 2562.5,1572.35 2527,1607.85 2527,1743.85 2437.85,1833 2281,1833 2214.57,1766.57 U3.21@2214.57,1736.22
F_USB13: U2.N14 U3.26 | length 1858.2
  Component Side w5: U3.26@2116.14,1736.22 2116.14,1820.36 2158.78,1863 2450.28,1863 2557,1756.28 2557,1620.28 2592.5,1584.78 2592.5,1288.22 2326.77,1022.49 2326.77,864.49 2231.28,769 2180.43,769 2175,763.57 2175,734 2169.35,728.35 U2.N14@2145.67,728.35
F_USB14: U2.M14 U3.25 | length 1773.8
  Component Side w5: U3.25@2135.83,1736.22 2135.83,1823.83 2165,1853 2446.14,1853 2547,1752.14 2547,1616.14 2582.5,1580.64 2582.5,1292.36 2316.77,1026.63 2316.77,868.63 2227.14,779 2176.28,779 2165,767.72 U2.M14@2145.67,767.72
F_USB15: U2.J12 U3.30 | length 1115.5
  Component Side w5: v1(1956.69,1724.41) 1997.05,1724.41 2008.86,1712.6 2008.86,1692.91 2018.7,1683.07 U3.30@2043.31,1683.07 ; U2.J12@2066.93,885.83 v1(2086.61,866.14)
  Solder Side w5: v1(1956.69,1724.41) 1957.68,1723.43 2018,1723.43 2057.09,1684.34 2057.09,1355.37 2116.74,1295.71 2116.74,986.8 2106.11,976.17 2106.11,936.8 2086.61,917.31 v1(2086.61,866.14)
F_USB16: U2.K12 U3.31 | length 1068.6
  Component Side w5: v1(1984.25,1696.85) 2017.72,1663.39 U3.31@2043.31,1663.39 ; U2.K12@2066.93,846.46 v1(2086.61,826.77)
  Solder Side w5: v1(1984.25,1696.85) 2022.72,1696.85 2043.75,1675.82 2043.75,1354.56 2106.74,1291.57 2106.74,997.05 2067.11,957.42 2067.11,846.28 v1(2086.61,826.77)
F_USB17: U2.K11 U3.32 | length 1118.3
  Component Side w5: v1(1948.82,1687.01) 1966.52,1687.01 2009.82,1643.7 U3.32@2043.31,1643.7 ; U2.K11@2027.56,846.46 2047,827.02 v1(2047,826.77)
  Solder Side w5: v1(1948.82,1687.01) 1950.62,1685.21 1968.32,1685.21 1983.77,1669.75 2027.5,1669.75 2033.75,1663.5 2033.75,1350.42 2096.74,1287.43 2096.74,1003.04 2047,953.3 v1(2047,826.77)
F_USB19: U2.M11 U3.41 | length 829.2
  Component Side w5: v1(1984.25,1462.81) 1989.39,1462.81 1993.12,1466.54 U3.41@2043.31,1466.54 ; v1(2007.87,748.03) U2.M11@2027.56,767.72
  Solder Side w5: v1(1984.25,1462.81) 1984.25,1259.94 2027.37,1216.82 2027.37,976.49 2027,976.12 2027,897.75 2017.5,888.25 2017.5,808.24 2007.87,798.61 v1(2007.87,748.03)
F_USB20: U2.L12 U3.29 | length 1181.8
  Component Side w5: v1(1978.35,1752.14) 1979.34,1751.15 1994.92,1751.15 2033.81,1712.25 2033.81,1704.99 2036.05,1702.76 U3.29@2043.31,1702.76 ; U2.L12@2066.93,807.09 2086.91,787.11 v1(2087,787.11)
  Solder Side w5: v1(1978.35,1752.14) 2013.84,1752.14 2069.72,1696.25 2069.72,1356.87 2126.74,1299.86 2126.74,894.85 2106.11,874.22 2106.11,806.22 v1(2087,787.11)
F_USB21: U2.A10 U3.38 | length 413.9
  Component Side w5: U2.A10@1988.19,1200.79 1988.19,1338.61 1981.96,1344.85 1981.96,1394.52 1950.24,1426.24 1950.24,1491.94 1974.2,1515.91 1989.5,1515.91 1999.18,1525.59 U3.38@2043.31,1525.59
F_USB22: R32.2 U2.B10 U3.36 | length 798.2
  Component Side w5: R32.2@1901.54,1802 1901.54,1583.46 1935,1550 1939.25,1550 ; U2.B10@1988.19,1161.42 1971.06,1178.54 1971.06,1226.7 1978.19,1233.83 1978.19,1334.47 1971.96,1340.7 1971.96,1385.6 1939,1418.56 1939,1549.75 1939.25,1550 ; U3.36@2043.31,1564.96 1988.19,1564.96 1984.72,1568.43 1957.68,1568.43 1939.25,1550
F_USB23: U2.C10 U3.39 | length 501.2
  Component Side w5: U2.C10@1988.19,1122.05 2007.87,1141.73 2007.87,1259.84 2028.36,1280.33 2028.36,1312.59 1993.12,1347.82 1993.12,1401.37 1960.24,1434.25 1960.24,1487.8 1978.35,1505.91 U3.39@2043.31,1505.91